# Altium PCB RX.PcbDoc (part 1 of 2) (continued)
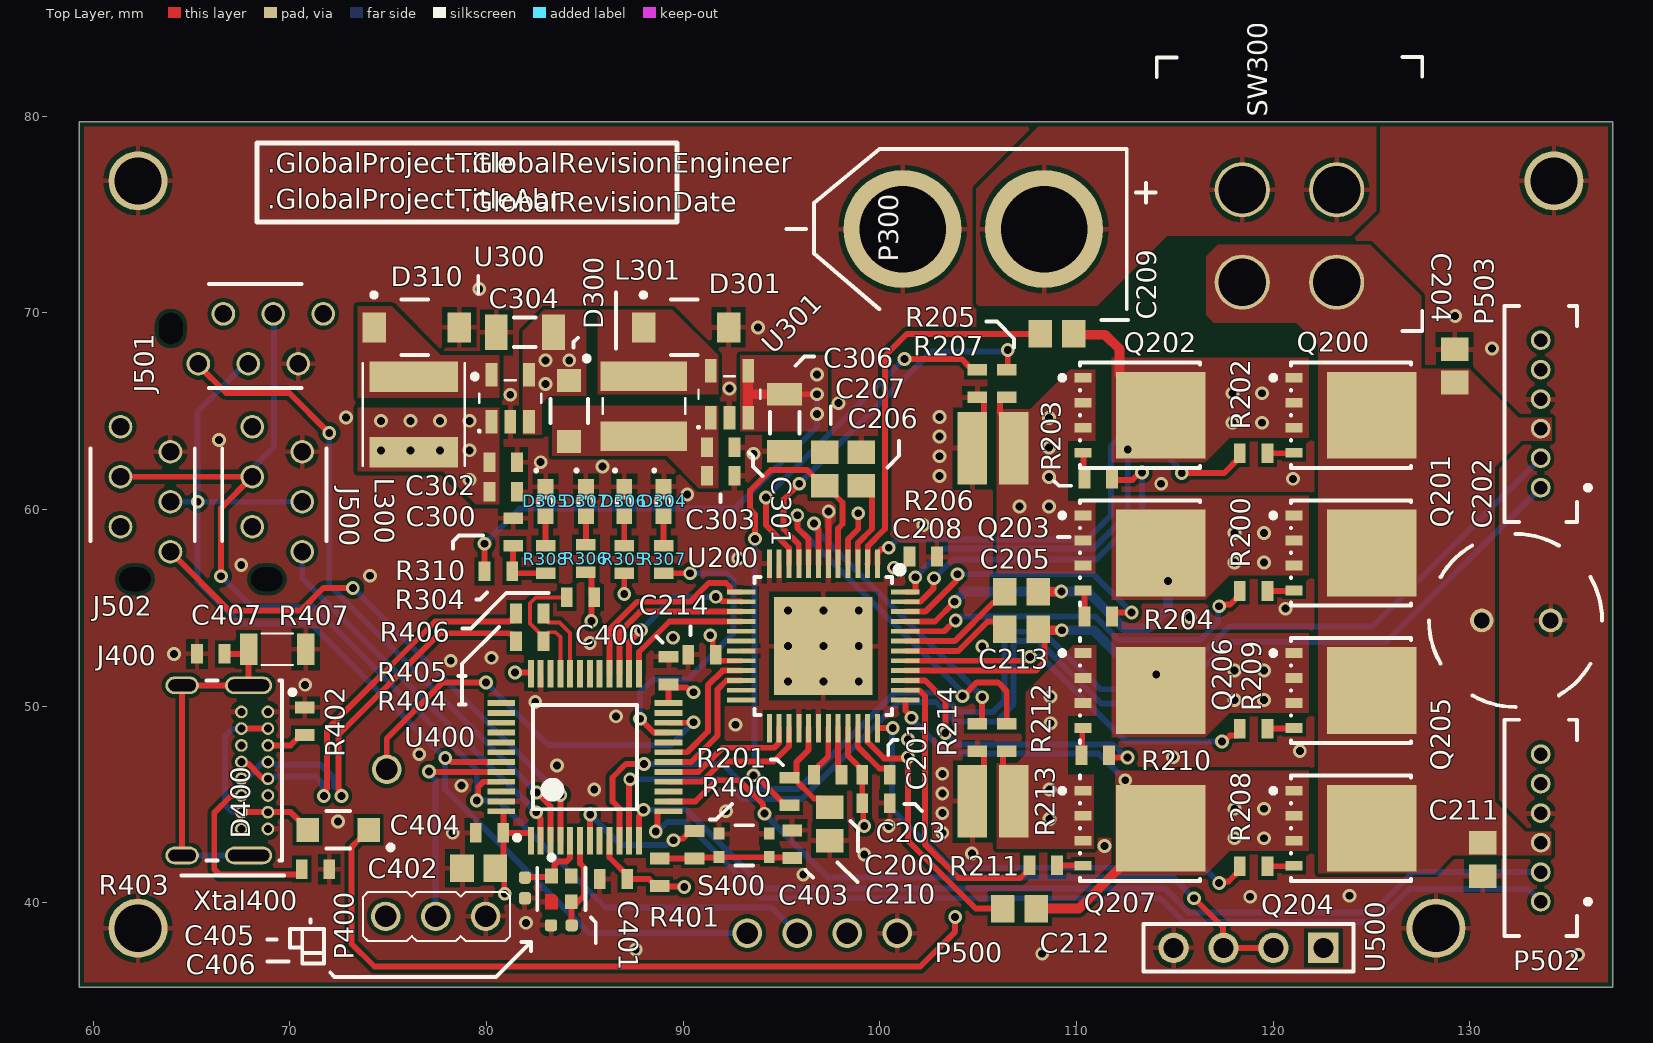
[diagram p0: Top Layer view]
## Footprints (in the part's own frame and the unit in brackets; to place one, negate y for a bottom-side part, rotate by r counter-clockwise, add the part's x,y. Pads: shape width x height; smd on the part's side, far side on the other; paste and mask are expansions set on the pad)
"2.54mm 4 POS XY-MK-5V RF" [mm] "Elevated Socket, 1x5 Pins, Vertical, 2.54mm Pitch, Female"
  rect 1.55x1.55 hole 1.02: 1(0,0)
  round 1.55 hole 1.02: 2(2.54,0) 3(5.08,0) 4(7.62,0)
  silkscreen extent -1.53,-1.2 9.14,1.2, body extent -20.98,2.21 9.02,21.41, height 6.1
"3Pos Pin Header" [mm]
  round 1.5 hole 1.1: 1(-2.56,0) 2(-0.02,0) 3(2.52,0)
  silkscreen extent -3.81,-1.25 3.67,1.25, body extent -3.89,-1.24 3.73,1.25, height 8.57
"4Pos Pin Header Vertical" [mm]
  round 1.5 hole 1.1: 1(-3.81,0) 2(-1.27,0) 3(1.27,0) 4(3.81,0)
  body extent -5.08,-1.27 5.08,1.27, height 8.57
7-215079-6-Footprint-1 [mm]
  round 0 hole 1.2 slot 1.6 at 90 deg unplated: 0(7.75,0.74)
  round 1.2 hole 0.9: 1(0,0) 2(1.27,2.54) 3(2.54,0) 4(3.81,2.54) 5(5.08,0) 6(6.35,2.54)
  silkscreen extent 1.1,-1.53 5.8,3.77, body extent -1.6,-1.38 7.96,3.62, height 4
"8mm Cap" [mm] "EEU-FS1H221L"
  round 1.2 hole 0.8: 1(-1.75,0) 2(1.75,0)
  silkscreen extent -4.37,-4.4 4.43,4.4, body extent -4.21,-4.22 4.28,4.28, height 23
"0603 RED LED" [mm] "Generic 0603 RED LED"
  rect 0.8x0.8 smd: 1(0.75,0) 2(-0.75,0)
  silkscreen extent -0.2,-0.38 1.6,0.5, body extent -0.8,-0.4 0.8,0.4, height 0.4
FP-ABM11-MFG [mm]
  rect 0.75x0.65 smd paste+0 mask+0: 1(-0.65,-0.5) 3(0.65,0.5) 4(-0.65,0.5)
  round 0.025 smd paste+0 mask+0: 2(0.65,-0.525)
  Top Layer region: 0.275,-0.325 0.425,-0.175 1.025,-0.175 1.025,-0.825 0.275,-0.825
  silkscreen extent -1.72,-1.22 1.07,1.22, body extent -1.17,-0.97 1.17,0.97, height 0.25
FP-B6B-ZR-SM4-TF_LF_SN-MFG [mm]
  round 1 hole 0.7 paste-2539.97 mask+0: 1(-3.75,0) 2(-2.25,0) 3(-0.75,0) 4(0.75,0) 5(2.25,0) 6(3.75,0)
  silkscreen extent -5.5,-2.53 5.5,1.85, body extent -5.25,-1.75 5.25,1.75, height 4.5
FP-MBR1020VL_R1_00001-MFG [mm]
  rect 1.15x1.22 smd paste+0 mask+0: 1(-1.55,0) 2(1.55,0)
  silkscreen extent -2.79,-0.95 0.6,1.01, body extent -2.22,-1.05 2.22,1.05, height 0.25
FP-PG-TDSON-8-MFG [mm]
  rect 0.5x0.85 smd paste-1000 mask+0: 1(-1.905,-2.9) 2(-0.635,-2.9) 3(0.635,-2.9) 4(1.905,-2.9)
  rect 4.41x4.55 smd paste-1000 mask-1000: 5-6-7-8(0,1.05)
  silkscreen extent -2.68,-4.07 2.68,3.05, body extent -3,-3.42 3,3.42, height 0.25
FP-USB4085-GF-A-MFG [mm]
  rrect100% 0.9x2.4 hole 2.1 slot 0.6 at 0 deg paste-2539.97 mask+0: 1(-4.325,3.045) 2(4.325,3.045)
  rrect100% 0.9x1.7 hole 1.4 slot 0.6 at 0 deg paste-2539.97 mask+0: 3(-4.325,-0.335) 4(4.325,-0.335)
  round 0.65 hole 0.4 paste-2539.97 mask+0: A1(-2.975,4.025) A4(-2.125,4.025) A5(-1.275,4.025) A6(-0.425,4.025) A7(0.425,4.025) A8(1.275,4.025) A9(2.125,4.025) A12(2.975,4.025) B1(2.975,2.675) B4(2.125,2.675) B5(1.275,2.675) B6(0.425,2.675) B7(-0.425,2.675) B8(-1.275,2.675) B9(-2.125,2.675) B12(-2.975,2.675)
  silkscreen extent -4.57,0.89 4.57,5.4, body extent -4.87,-4.83 4.87,4.83, height 0.25
MLCC_0402_M [mm]
  rrect49% 0.63x0.61 smd: 1(-0.525,0) 2(0.525,0)
  body extent -0.5,-0.25 0.5,0.25, height 0.55
MLCC_0603_M [mm]
  rect 0.6x1 smd: 1(-0.7,0) 2(0.7,0)
  body extent -0.8,-0.4 0.8,0.4, height 0.92
MLCC_0805_M [mm] "Chip Capacitor, 2-Leads, Body 2,00x1,25mm, IPC Medium Density"
  rect 1.2x1.4 smd: 1(-0.85,0) 2(0.85,0)
  body extent -1.05,-0.67 1.05,0.67, height 1.35
MLCC_1206_M [mm]
  rect 1.15x1.8 smd: 1(-1.45,0) 2(1.45,0)
  silkscreen extent -0.55,-0.75 0.55,0.75, body extent -1.7,-0.9 1.7,0.9, height 0.75
P5_064B_MFG [mm] "Recommended Land Pattern"
  rect 1.2x0.6 smd paste+0 mask+0: 1(-1.2,0.95) 2(-1.2,0) 3(-1.2,-0.95) 4(1.2,-0.95) 5(1.2,0.95)
  silkscreen extent -1.74,-1.58 0.92,1.64, body extent -1.4,-1.45 1.4,1.45, height 1.1
PE0612FKM7W0R05L-Footprint-1 [mm]
  rect 1.5x3.68 smd: 1(-1.05,0) 2(1.05,0)
  body extent -0.8,-1.6 0.8,1.6, height 0.75
Resistor_0603_M [mm]
  rect 0.6x1 smd: 1(-0.7,0) 2(0.7,0)
  body extent -0.8,-0.4 0.8,0.4, height 0.45
Resistor_1206_M [mm]
  rect 0.9x1.6 smd: 1(-1.45,0) 2(1.45,0)
  silkscreen extent -0.8,-0.8 0.8,0.8, body extent -1.6,-0.83 1.6,0.83, height 0.56
STM-LQFP48_M [mm] "QFP, 48-Leads, Body 7x7mm, Pitch 0.5mm, IPC Low Density"
  rect 1.4x0.3 smd: 1(-4.25,2.75) 2(-4.25,2.25) 3(-4.25,1.75) 4(-4.25,1.25) 5(-4.25,0.75) 6(-4.25,0.25) 7(-4.25,-0.25) 8(-4.25,-0.75) 9(-4.25,-1.25) 10(-4.25,-1.75) 11(-4.25,-2.25) 12(-4.25,-2.75) 25(4.25,-2.75) 26(4.25,-2.25) 27(4.25,-1.75) 28(4.25,-1.25) 29(4.25,-0.75) 30(4.25,-0.25) 31(4.25,0.25) 32(4.25,0.75) 33(4.25,1.25) 34(4.25,1.75) 35(4.25,2.25) 36(4.25,2.75)
  rect 0.3x1.4 smd: 13(-2.75,-4.25) 14(-2.25,-4.25) 15(-1.75,-4.25) 16(-1.25,-4.25) 17(-0.75,-4.25) 18(-0.25,-4.25) 19(0.25,-4.25) 20(0.75,-4.25) 21(1.25,-4.25) 22(1.75,-4.25) 23(2.25,-4.25) 24(2.75,-4.25) 37(2.75,4.25) 38(2.25,4.25) 39(1.75,4.25) 40(1.25,4.25) 41(0.75,4.25) 42(0.25,4.25) 43(-0.25,4.25) 44(-0.75,4.25) 45(-1.25,4.25) 46(-1.75,4.25) 47(-2.25,4.25) 48(-2.75,4.25)
  silkscreen extent -4.22,-2.65 2.65,3.57, body extent -3.5,-3.5 3.5,3.5, height 1.6
SW-T2-3A-A-A2-M2 [mm]
  round 2.8 hole 2.4: 1(-3.2,2.4) 2(-3.2,-2.4) 3(1.5,2.4) 4(1.5,-2.4)
  silkscreen extent -5.68,-6.75 8.25,6.75, body extent -5.27,-6.35 7.85,6.35, height 29.3
TQFP80P900X900X120-32N [mm] "TQFP, 32-Leads, Body 7,00x7,00mm, Pitch 0,80mm, IPC Medium Density"
  rect 1.45x0.25 smd: 1(-4.175,2.75) 2(-4.175,2.25) 3(-4.175,1.75) 4(-4.175,1.25) 5(-4.175,0.75) 6(-4.175,0.25) 7(-4.175,-0.25) 8(-4.175,-0.75) 9(-4.175,-1.25) 10(-4.175,-1.75) 11(-4.175,-2.25) 12(-4.175,-2.75) 25(4.175,-2.75) 26(4.175,-2.25) 27(4.175,-1.75) 28(4.175,-1.25) 29(4.175,-0.75) 30(4.175,-0.25) 31(4.175,0.25) 32(4.175,0.75) 33(4.175,1.25) 34(4.175,1.75) 35(4.175,2.25) 36(4.175,2.75)
  rect 0.25x1.45 smd: 13(-2.75,-4.175) 14(-2.25,-4.175) 15(-1.75,-4.175) 16(-1.25,-4.175) 17(-0.75,-4.175) 18(-0.25,-4.175) 19(0.25,-4.175) 20(0.75,-4.175) 21(1.25,-4.175) 22(1.75,-4.175) 23(2.25,-4.175) 24(2.75,-4.175) 37(2.75,4.175) 38(2.25,4.175) 39(1.75,4.175) 40(1.25,4.175) 41(0.75,4.175) 42(0.25,4.175) 43(-0.25,4.175) 44(-0.75,4.175) 45(-1.25,4.175) 46(-1.75,4.175) 47(-2.25,4.175) 48(-2.75,4.175)
  rect 5x5 smd: 49(0,0)
  silkscreen extent -3.97,-3.5 3.5,3.98, body extent -4.5,-4.5 4.5,4.5, height 1.2
USLPT2819DT4TR-Footprint-1 [mm]
  rect 0.55x0.6 smd: 1(-1.275,0.6) 2(1.275,0.6) 3(-1.275,-0.59) 4(1.275,-0.59)
  silkscreen extent -0.46,-1.02 0.46,1.03, body extent -1.5,-0.94 1.5,0.96, height 0.43
VSSAF3M10HM3_H-Footprint-1 [mm]
  rect 1.2x1.52 smd: 1(-2.16,0) 2(2.16,0)
  silkscreen extent -2.29,-1.4 0.58,1.76, body extent -2.59,-1.29 2.61,1.31, height 1
WE-LQS_4025 [mm] "SMD Power Inductor, 2-Leads, body 4x4mm"
  rect 1.5x4.4 smd: 1(-1.525,0) 2(1.525,0)
  silkscreen extent -0.4,-2.1 0.4,2.1, body extent -2,-2 2,2, height 2.15
WE-LQS_5040 [mm] "SMD Power Inductor, 2-Leads, body 5x5mm"
  rect 1.55x4.5 smd: 1(1.925,0) 2(-1.925,0)
  silkscreen extent -2.6,-3.22 2.6,2.6, body extent -2.5,-2.5 2.5,2.5, height 4.03
"XT60 male TH" [mm]
  round 6 hole 4.4: +(-3.6,0) -(3.6,0)
  silkscreen extent -7.8,-4.08 9.5,4.08, body extent -7.8,-4.07 8.1,4.08, height 16.3

## Part data
C200: library part CMP-001-0577-1, "MLCC, 0603, 22n, 10%, 6.3V, X7R", Capacitor Type=Ceramic, Case/Package=0603, Dielectric=X7R, Manufacturer=Any, Tolerance=10%, Voltage=6,3V, Mount=SMD, Part number="MLCC, 0603, 22n, 10%, 6.3V, X7R", RoHS=Yes
C201 C203 C208 C214: library part CMP-001-0755-1, "MLCC, 0603, 100n, 10%, 35V, X7R", Capacitor Type=Ceramic, Case/Package=0603, Dielectric=X7R, Manufacturer=Any, Tolerance=10%, Voltage=35V, Mount=SMD, Part number="MLCC, 0603, 100n, 10%, 35V, X7R", RoHS=Yes
C202: library part CMP-002-0010-1, "Panasonic EEUFS1H221L - Aluminum Electrolytic Capacitors (Radial Lead Type)", Capacitance=10uF, Capacitor Type=Ceramic, Case/Package=Radial, Dielectric=X5R, ESR (Equivalent Series Resistance)=33mΩ, Leakage Current=110µA, Manufacturer=Any, Manufacturer Lifecycle Status=ACTIVE, Max Operating Temperature=105°C, Min Operating Temperature=-40°C, Ripple Current=1.43A, Tolerance=20%, Voltage=50V, Construction=Cylindrical, Diameter=8mm, Features="General Purpose", Height=22mm, Height - Seated (Max)=0.315inch, Length=20mm, Life (Hours)=9000hours, Lifecycle Status=Production, Mount=THT, Number of Terminals=2, Packaging=Bulk, Part number=EEU-FS1H221L, Part Series=FS-A, Pins=2, REACH SVHC=Yes, RoHS=Compliant, Schedule B=8532220020, Terminal Pitch=3.5mm, Voltage Rating=50V, Voltage Rating (DC)=50V
C204 C205 C209 C210 C211 C212 C213: library part CMP-001-0836-2, "MLCC, 0805, 470n, 10%, 6.3V, X7R", Capacitor Type=Ceramic, Case/Package=0805, Dielectric=X7R, Manufacturer=Any, Tolerance=10%, Voltage=6,3V, Mount=SMD, Part number="MLCC, 0805, 470n, 10%, 6.3V, X7R", RoHS=Yes
C206 C207: library part CMP-001-0842-2, "MLCC, 0805, 2.2u, 10%, 6.3V, X7R", Capacitor Type=Ceramic, Case/Package=0805, Dielectric=X7R, Manufacturer=Any, Tolerance=10%, Voltage=6,3V, Mount=SMD, Part number="MLCC, 0805, 2.2u, 10%, 6.3V, X7R", RoHS=Yes
C300 C301 C302 C303: library part CMP-001-1264-1, "MLCC, 0603, 22u, 10%, 16V, X5R", Capacitor Type=Ceramic, Case/Package=0603, Dielectric=X5R, Manufacturer=Any, Tolerance=10%, Voltage=16V, Mount=SMD, Part number="MLCC, 0603, 22u, 10%, 16V, X5R", RoHS=Yes
C304 C306: library part CMP-001-1124-2, "MLCC, 1206, 4.7u, 10%, 35V, X5R", Capacitor Type=Ceramic, Case/Package=1206, Dielectric=X5R, Manufacturer=Any, Tolerance=10%, Voltage=35V, Mount=SMD, Part number="MLCC, 1206, 4.7u, 10%, 35V, X5R", RoHS=Yes
C400 C401 C403 C404: library part CMP-001-0815-1, "MLCC, 0603, 100n, 10%, 50V, X7R", Capacitor Type=Ceramic, Case/Package=0603, Dielectric=X7R, Manufacturer=Any, Tolerance=10%, Voltage=50V, Mount=SMD, Part number="MLCC, 0603, 100n, 10%, 50V, X7R", RoHS=Yes
C402: library part CMP-001-1830-1, "MLCC, 0805, 4.7u, 20%, 50V, X5R", Capacitor Type=Ceramic, Case/Package=0805, Dielectric=X5R, Manufacturer=Any, Tolerance=20%, Voltage=50V, Mount=SMD, Part number="MLCC, 0805, 4.7u, 20%, 50V, X5R", RoHS=Yes
C405 C406: library part CMP-001-1853-1, "MLCC, 0402, 15p, 10%, 25V, C0G/NP0", Capacitance=15pF, Capacitor Type=Ceramic, Case Code (Imperial)=0402, Case Code (Metric)=1005, Dielectric=C0G, Manufacturer=Any, Max Operating Temperature=125°C, Min Operating Temperature=-55°C, Package Quantity=1, Temperature Coefficient=300ppm/°C, Tolerance=10%, Voltage=25V, Voltage Rating=25, Case/Package=0402, Contact Plating=Tin, Depth=0.5mm, Height=0.5mm, Length=1mm, Material=Ceramic, Mount="Surface Mount", Packaging="Tape and Reel", Part number="MLCC, 0402, 15p, 10%, 25V, C0G/NP0", Radiation Hardening=No, RoHS=Yes, Thickness=0.022inch, Width=0.02inch
C407: library part CMP-001-0547-1, "MLCC, 0603, 1n, 10%, 50V, X5R", Capacitor Type=Ceramic, Case/Package=0603, Dielectric=X5R, Manufacturer=Any, Tolerance=10%, Voltage=50V, Mount=SMD, Part number="MLCC, 0603, 1n, 10%, 50V, X5R", RoHS=Yes
D300 D400: library part CMP-ROOT-01310-1, "Rectifier Diode, Schottky, 1 Phase, 1 Element, 1A, 20V V(RRM), Silicon", Case/Package=SOD-123FL, Forward Current=1A, Manufacturer=Panjit, Max Forward Surge Current (Ifsm)=45A, Max Junction Temperature (Tj)=125°C, Max Repetitive Reverse Voltage (Vrrm)=20V, Min Operating Temperature=-55°C, Peak Reverse Current=600µA, Height=1.1mm, Lifecycle Status=Production, Max Operating Temperature=125°C, Max Output Current=1A, Mount=SMD, Number of Elements=1, Number of Terminals=2, Part number=MBR1020VL_R1_00001, Pins=2, REACH SVHC=No, Reverse Standoff Voltage=20V, RoHS=Compliant
D301 D310: library part CMP-ROOT-01308-1, "Rectifier Diode, Schottky, 1 Phase, 1 Element, 2.3A, 100V V(RRM), Silicon, DO-221AC", Case/Package=DO-221AC-2, Forward Voltage=720mV, Max Forward Surge Current (Ifsm)=80A, Max Operating Temperature=175°C, Max Output Current=2.3A, Min Operating Temperature=-40°C, Peak Reverse Current=200µA, Reverse Standoff Voltage=100V, Lifecycle Status=Production, Manufacturer=VSSAF3M10HM3/H, Mount=SMD, Number of Elements=1, Number of Terminals=2, Part number=VSSAF3M10HM3/H, Pins=2, REACH SVHC=No, RoHS=Compliant
D304 D305 D306 D307: library part CMP-ROOT-00025-2, "Generic red 0603 LED", Case/Package=0603, Manufacturer=Any, Part number="Any Red 0603 LED", Color=Red, Mount=SMD, RoHS=Yes
J400: library part CMP-001-1800-1, "USB Connector, 16 Contact(s), Female, Right Angle, Solder Terminal, Locking, Receptacle", Current Rating=4.25A, Flammability Rating="UL94 V-0", Insulation Color=Black, Manufacturer=GCT, Max Operating Temperature=85°C, Min Operating Temperature=-40°C, Part number=USB4800-03-A, Voltage Rating=20V, Connector Type=USB, Contact Material="Copper Alloy", Contact Plating=Gold, Gender=Receptacle, Height=3.66mm, Mating Cycles=10000, Mount=TH, Mounting Technology="Through Hole,Horizontal", Number of Contacts=16, Number of Ports=1, Number of Positions=16, Orientation="Right Angle", Packaging="Tape and Reel", Pins=16, RoHS=Yes, Series=USB4085, Shielding=Shielded, Standoff Height=3.5mm, Termination=Solder, USB PD=3.2, USB Standard="USB 2.0"
J500 J501 J502: library part CMP-ROOT-01311-2, "Conn FFC Connector F 6 POS 1.27mm Solder ST Thru-Hole Automotive Box/Carton", Color=Red, Contact Current Rating=1A, Contact Resistance=10mΩ, Insulation Resistance=1GΩ, Manufacturer="TE Connectivity", Manufacturer Lifecycle Status=ACTIVE, Max Operating Temperature=105°C, Min Operating Temperature=-40°C, Operating Force=4.8928N, Operating Supply Voltage=100V, China RoHS=Compliant, Contact Gender=Female, Contact Material="Nickel, Tin", Contact Plating=Tin, Current Rating=1A, Height=4.2mm, Housing Color=Red, Insulation Material=Thermoplastic, Lead Free="Lead Free", Lead Pitch=1.27mm, Length=9.7mm, Lifecycle Status=Production, Mating Connector Lock=Without, Mount=TH, Mounting Technology="Through Hole", Number of Contacts=6, Number of Ports=1, Number of Positions=6, Number of Rows=2, Orientation=Vertical, Packaging=Box, Part number=7-215079-6, PCB Mount Retention=With, Pins=6, Plating Thickness=4.99999µm, REACH SVHC=Yes, RoHS=Compliant, Row Spacing=2.54mm, Shielding=No, Terminal Pitch=1.27mm, Voltage Rating=100V, Voltage Rating (DC)=100V
L300: library part CMP-007-0001-1, "Inductor Power Semi-Shielded Wirewound 33uH 20% 100KHz 1.2A 0.188Ohm DCR 2020 Automotive T/R", Ambient Temperature Range High=85°C, Ambient Temperature Range Low=-40°C, Case/Package=Nonstandard, Current Rating=1.2A, DC Resistance (DCR)=188mΩ, Inductance Tolerance=20%, Manufacturer="Wurth Elektronik", Max Operating Temperature=125°C, Part number=74404043220A, Saturation Current=1.4A, Self Resonant Frequency=13MHz, Test Frequency=100kHz, Composition=Wirewound, Core Material=Ferrite, Height=4mm, Height - Seated (Max)=3.9878mm, Length=5mm, Max DC Current=1.2A, Min Operating Temperature=-40°C, Mount=SMD, Mounting Technology="Surface Mount", Pins=2, REACH SVHC=Unknown, RMS Current (Irms)=1.2A, RoHS=Compliant, Shielding=Shielded, Termination=SMD/SMT, Tolerance=20%, Width=5mm
L301: library part CMP-ROOT-01309-1, "General Purpose Inductor, 22uH, 20%, 1 Element, Nickel-zinc Ferrite-Core, SMD, 1616", Ambient Temperature Range High=85°C, Ambient Temperature Range Low=-40°C, Case/Package="4mm x 4mm", Current Rating=1.11A, DC Resistance (DCR)=200mΩ, Inductance Tolerance=20%, Manufacturer="Wurth Elektronik", Max Operating Temperature=125°C, Height=2.5mm, Length=4mm, Min Operating Temperature=-40°C, Mount=SMD, Part number=74404043220A, Pins=2, RoHS=Compliant, Width=4mm
P300: library part CMP-ROOT-00493-2, Manufacturer=DFRobot, Part number=1738-1437-ND, Mount=TH, RoHS=Yes
P400: library part CMP-ROOT-00217-1, "Connector Header Through Hole 3 position 0.100\" (2.54mm)", Case/Package=SIL, Color=Black, Contact Resistance=25mR, Current Rating=3A, Insulation Resistance=10GR, Manufacturer="Harwin Inc.", Max Operating Temperature=105°C, Min Operating Temperature=-40°C, Package Quantity=1000, Voltage Rating (AC)=750V, Connector Type="Male Pin", Contact Material=Brass,Bronze, Contact Mating Length=0.24inch, Contact Plating=Gold, Depth=2.54mm, Height=0.125inch, Housing Color=Black, Housing Material=Nylon, Length=7.62mm, Max Current Rating=3A, Mount="Through Hole", Number of Contacts=3, Number of Positions=3, Number of Rows=1, Orientation=Straight, Packaging=Bulk, Part number=M20-9990345, Pins=3, Pitch=2.54mm, Radiation Hardening=No, REACH SVHC="No SVHC", RoHS=Yes, Termination=Solder, Weight=0.006138oz, Width=0.25inch
P500: library part CMP-002-000004-1, "4 POS 2.54mm Vertical THT Header", Manufacturer="Adam Tech", Lead Free="Lead Free", Mount=TH, Number of Positions=4, Part number=PH1-04-UA, Pins=4, Pitch=2.54mm, RoHS=Yes, Termination="Through Hole"
P502 P503: library part CMP-ROOT-01270-2, "Header for PCB; pitch 1.50mm; 6-contacts; THT; male; top entry; 50V/1A", Color="Natural, White", Contact Resistance=30mΩ, Current Rating=1A, Flammability Rating="UL94 V-0", Insulation Resistance=500MΩ, Manufacturer="JST Sales America Inc.", Max Operating Temperature=85°C, Max Voltage Rating (AC)=50V, Min Operating Temperature=-25°C, Part number=B6B-ZR, Body Plating=Tin, China RoHS=Compliant, Connector Type="Male Pin", Contact Gender=Male, Contact Material="Copper, Tin", Contact Mating Length=2.3876mm, Contact Plating=Tin, Depth=3.5mm, Fastening Type=Detent, Gender=Male, Height=4.5mm, Housing Material=Polyamide, Lead Free="Lead Free", Lead Pitch=1.5mm, Length=3.048mm, Lifecycle Status=Production, Material=Nylon, Max Current Rating=1A, Mount=TH, Mounting Technology="Through Hole", Number of Contacts=6, Number of Positions=6, Number of Rows=1, Orientation=Straight, Packaging=Bulk, Panel Thickness=3.5mm, Pins=6, Pitch=1.5mm, REACH SVHC=Yes, RoHS=Compliant, Terminal Pitch=1.5mm, Termination=Solder, Voltage Rating=50V, Voltage Rating (AC)=50V, Voltage Rating (DC)=50V, Weight=28.349523g, Width=5.08mm
Q200 Q201 Q202 Q203 Q204 Q205 Q206 Q207: library part CMP-ROOT-01287-1, "Power MOSFET, N Channel, 60 V, 100 A, 0.0027 ohm, TDSON, Surface Mount", Case/Package=PG-TDSON-8-7, Continuous Drain Current (ID)=23A, Drain to Source Breakdown Voltage=60V, Drain to Source Resistance=2.7mΩ, Gate to Source Voltage (Vgs)=20V, Manufacturer="Infineon Technologies", Max Junction Temperature (Tj)=150°C, Max Power Dissipation=83W, Min Operating Temperature=-55°C, Package Quantity=5000, Power Dissipation=2.5W, China RoHS=Non-Compliant, Drain to Source Voltage (Vdss)=60V, Height=1mm, Lifecycle Status=Production, Max Operating Temperature=150°C, Min Breakdown Voltage=60V, Mount=SMD, Number of Channels=1, Number of Elements=1, Number of Terminals=8, On-State Resistance=2.7mΩ, Packaging="Tape & Reel", Part number=BSC027N06LS5ATMA1, REACH SVHC=No, RoHS=Compliant, Schedule B="8541290080, 8541290080", Turn-Off Delay Time=25ns, Turn-On Delay Time=7.7ns
R200 R202 R203 R204 R208 R209 R210 R211: library part CMP-001-0026-2, "Resistor, 0603, 7.5R, 1%, 1/10W", Case/Package=0603, Manufacturer=Any, Power=100mW, Tolerance=1%, Mount=SMD, Part number="Resistor, 0603, 7.5R, 1%, 1/10W", RoHS=Yes
R201: library part CMP-001-0012-2, "Resistor, 0603, 2.2R, 1%, 1/10W", Case/Package=0603, Manufacturer=Any, Power=100mW, Tolerance=1%, Mount=SMD, Part number="Resistor, 0603, 2.2R, 1%, 1/10W", RoHS=Yes
R205 R207 R212 R214: library part CMP-001-0046-3, "Resistor, 0603, 47R, 1%, 1/10W", Case/Package=0603, Manufacturer=Any, Power=100mW, Tolerance=1%, Mount=SMD, Part number="Resistor, 0603, 47R, 1%, 1/10W", RoHS=Yes
R206 R213: library part CMP-001-1896-1, "Current Sensor-Low TCR Chip Resistor Wide Terminal Metal Alloy 0612 50mOhm 1% Emboss T/R", Case/Package=0612, Manufacturer=Any, Power=2W, Temperature Coefficient=75ppm/°C, Tolerance=1%, Lifecycle Status=Production, Mount=SMD, Number of Terminals=2, Part number=PE0612FKM7W0R05L, Pins=2, REACH SVHC=Yes, RoHS=Compliant
R304: library part CMP-001-0088-2, "Resistor, 0603, 3k, 1%, 1/10W", Case/Package=0603, Manufacturer=Any, Power=100mW, Tolerance=1%, Mount=SMD, Part number="Resistor, 0603, 3k, 1%, 1/10W", RoHS=Yes
R305 R306 R307 R308: library part CMP-001-0060-2, "Resistor, 0603, 200R, 1%, 1/10W", Case/Package=0603, Manufacturer=Any, Power=100mW, Tolerance=1%, Mount=SMD, Part number="Resistor, 0603, 200R, 1%, 1/10W", RoHS=Yes
R310: library part CMP-0001-00237-1, "Resistor, 0603, 1k, 0.1%, 1/16W", Case/Package=0603, Manufacturer=Any, Mount=SMD, Part number=Any, RoHS=Yes
R400: library part CMP-001-0054-5, "Resistor, 0603, 100R, 1%, 1/10W", Case/Package=0603, Manufacturer=Any, Power=100mW, Tolerance=1%, Mount=SMD, Part number="Resistor, 0603, 100R, 1%, 1/10W", RoHS=Yes
R401: library part CMP-001-0101-2, "Resistor, 0603, 10k, 1%, 1/10W", Case/Package=0603, Manufacturer=Any, Power=100mW, Tolerance=1%, Mount=SMD, Part number="Resistor, 0603, 10k, 1%, 1/10W", RoHS=Yes
R402 R403: library part CMP-001-0094-2, "Resistor, 0603, 5.1k, 1%, 1/10W", Case/Package=0603, Manufacturer=Any, Power=100mW, Tolerance=1%, Mount=SMD, Part number="Resistor, 0603, 5.1k, 1%, 1/10W", RoHS=Yes
R404 R405: library part CMP-001-0038-3, "Resistor, 0603, 22R, 1%, 1/10W", Case/Package=0603, Manufacturer=Any, Power=100mW, Tolerance=1%, Mount=SMD, Part number="Resistor, 0603, 22R, 1%, 1/10W", RoHS=Yes
R406: library part CMP-001-0081-2, "Resistor, 0603, 1.5k, 1%, 1/10W", Case/Package=0603, Manufacturer=Any, Power=100mW, Tolerance=1%, Mount=SMD, Part number="Resistor, 0603, 1.5k, 1%, 1/10W", RoHS=Yes
R407: library part CMP-0001-00051-1, "Resistor, 1206, 1M, 1%, 1/4W", Case/Package=1206, Manufacturer=Any, Mount=SMD, Part number=Any, RoHS=Yes
S400: library part CMP-ROOT-01290-1, "Keypad Switch, SPST, 0.05A, 1.96N, Solder Terminal, Panel Mount", Case/Package=Non-standard, Color=Black, Contact Current Rating=50mA, Manufacturer="TE Connectivity ALCOSWITCH Switches", Max Operating Temperature=85°C, Min Operating Temperature=-40°C, Operating Force=1.96N, China RoHS=Compliant, Contact Material="Stainless Steel", Contact Plating=Silver, Housing Material=Polyethylene, Lifecycle Status=Production, Max Current Rating=50mA, Mount=SMD, Packaging="Tape & Reel", Part number=USLPT2819DT4TR, REACH SVHC=Yes, RoHS=Compliant, Throw Configuration=SPST
SW300: library part CMP-ROOT-01312-1, "Toggle Switch, Miniature, Solder, DPST, On-off", Case/Package=Non-standard, Manufacturer="Adam Tech", Lifecycle Status=Production, Mount=SMD, Part number=SW-T2-3A-A-A2-M2, Pins=4, REACH SVHC=Yes, RoHS=Compliant
U200: library part CMP-ROOT-00744-3, "IC Mtr Drvr Bipolar 8-60V 48TQFP", Case/Package="48-TQFP Exposed Pad", Manufacturer="Trinamic Motion Control GmbH", Max Operating Temperature=125°C, Min Operating Temperature=-40°C, Output Current=20A, Interface=SPI, Logic Function="AND GATE", Mount="Surface Mount", Packaging="Tape and Reel", Part number=TMC5160A-TA-T, RoHS=Yes
U300: library part CMP-ROOT-0017-1, "Switching Regulator, Current-mode, 0.3A, 170kHz Switching Freq-Max, PDSO5", Case/Package=TSOT, Manufacturer="Renesas / Intersil", Manufacturer Lifecycle Status=ACTIVE, Max Junction Temperature (Tj)=125°C, Max Output Current=300mA, Max Output Voltage=5.15V, Max Supply Voltage=80V, Max Switching Frequency=170kHz, Min Input Voltage=7V, Min Operating Temperature=-40°C, Min Output Voltage=3.18V, Nominal Output Voltage=3.3V, Nominal Supply Voltage=18V, Export Control Classification Number (ECCN) Code=EAR99, Harmonized Tariff Schedule (HTS) Code=8540000000, Height=850µm, Height - Seated (Max)=1.1mm, Length=2.9mm, Lifecycle Status=Production, Max Operating Temperature=125°C, Mount=SMD, Mounting Technology="Surface Mount", MSL=3, Number of Circuits=1, Number of Terminals=5, Part Family=RAA211803, Part number=RAA2118034GP3#JA0, Pins=5, Pitch=1mm, REACH SVHC=Yes, RoHS=Compliant, Terminal Pitch=950µm, Topology=Buck, Width=1.6mm
U301: library part CMP-00019-3, "Switching Regulator, Current-mode, 0.3A, 230kHz Switching Freq-Max, PDSO5", Case/Package=TSOT, Manufacturer="Renesas / Intersil", Manufacturer Lifecycle Status=ACTIVE, Max Junction Temperature (Tj)=125°C, Max Output Current=300mA, Max Output Voltage=5.15V, Max Supply Voltage=80V, Max Switching Frequency=230kHz, Min Input Voltage=7V, Min Operating Temperature=-40°C, Min Output Voltage=3.18V, Nominal Output Voltage=5V, Nominal Supply Voltage=18V, Package Quantity=3000, Export Control Classification Number (ECCN) Code=EAR99, Harmonized Tariff Schedule (HTS) Code=8540000000, Height=850µm, Height - Seated (Max)=1.1mm, Length=2.9mm, Lifecycle Status=Production, Max Operating Temperature=125°C, Mount=SMD, Mounting Technology="Surface Mount", MSL=3, Number of Circuits=1, Number of Terminals=5, Part Family=RAA211805, Part number=RAA2118054GP3#JA0, Pins=5, Pitch=1mm, REACH SVHC=Yes, RoHS=Compliant, Terminal Pitch=950µm, Topology=Buck, Width=1.6mm
U400: library part CMP-00012-2, "MCU 32-bit STM32F1 ARM Cortex M3 RISC 64KB Flash 2.5V/3.3V 48-Pin LQFP Tray", Case/Package=LQFP, Clock Frequency=16MHz, Frequency=72MHz, Manufacturer=STMicroelectronics, Manufacturer Package Identifier=ai14911d, Max Operating Temperature=85°C, Max Power Dissipation=363mW, Max Supply Current=50mA, Max Supply Voltage=3.6V, Min Operating Temperature=-40°C, Min Supply Voltage=2V, Nominal Supply Current=1.7µA, Operating Supply Voltage=3.3V, ADC Channels (Resolution)="10-Ch 12-Bit", Address Bus Width=32b, China RoHS=Compliant, Core Architecture=ARM, Data Bus Width=32b, Density=512kb, EEPROM Memory Size=0B, Flash Memory Size=64kB, Height=1.45mm, Height - Seated (Max)=1.6mm, Interface="CAN, USB", Lead Free="Lead Free", Length=7mm, Lifecycle Status=Production, Memory Format=FLASH, Memory Size=64kB, Mount=SMD, Mounting Technology="Surface Mount", Number of A/D Converters=2, Number of ADC Channels=10, Number of Bits=32, Number of Channels=10, Number of I2C Channels=2, Number of I/Os=37, Number of Interrupts=16, Number of Programmable I/O=48, Number of PWM Channels=1, Number of SPI Channels=2, Number of Terminals=48, Number of Timers/Counters=4, Number of USART Channels=3, Oscillator Type=Internal, Part number=STM32F103C8T6, Peripherals=POR, Pins=48, Radiation Hardening=No, RAM Size=20kB, REACH SVHC=Yes, RoHS=Compliant, Schedule B=8542310000, Terminal Pitch=500µm, Termination=SMD/SMT, Watchdog Timer=Yes, Width=7mm
U500: library part CMP-00015-1, "433MHz reciever module, 5V tolerant", Case/Package="2.54mm 4 POS", Manufacturer=Unknown, Mount=THT, Part number="XY-MK-5V RF", RoHS=Yes
Xtal400: library part CMP-ROOT-01254-3, "Crystal 16MHz ±10ppm (Tol) ±15ppm (Stability) 12pF FUND 150Ohm 4-Pin Ultra Mini-CSMD T/R", Case/Package="4-SMD, No Lead", ESR (Equivalent Series Resistance)=150Ω, Frequency=16MHz, Frequency Stability=15ppm, Frequency Tolerance=0.001%, Load Capacitance=12pF, Manufacturer="Abracon LLC", Max Operating Temperature=85°C, Min Operating Temperature=-30°C, China RoHS=Compliant, ESR=150Ω, Height=590µm, Length=2mm, Lifecycle Status=Production, Mount=SMD, Mounting Technology="Surface Mount", REACH SVHC=Yes, RoHS=Compliant, Schedule B=8541600080, Tolerance=0.001%, Width=1.6mm

## Free pads (board coordinates)
  round 3 hole 2.4: 0(62.275,38.7) 0(62.275,76.7) 0(128.275,38.7) 0(134.275,76.7)
  round 1.5 hole 1.1: 0(74.925,46.775)

## Via types
v1: diameter 0.7, hole 0.4, Top Layer to Bottom Layer, 183 vias

## Nets (pads, with @x,y where several pads share a name; then routed paths per layer and width w, separated by ;. In a path a pad name is that pad's centre, name@x,y a point inside that pad or via, vN(x,y) a via of type N, cw(c..) or ccw(c..) an arc to the next point about the centre after c; other vN are vias at no path point)
+3V3: C300.2 C302.2 C400.1 C401.1 C402.2 C404.1 J500.1 J501.1 J502.1 L300.2 P400.3 P500.2 R306.1 R401.2 R406.2 U300.1 U400.1 U400.9 U400.24 U400.36 U400.48 | length 17.9
  Top Layer w0.3: U400.48@80.75,44.65 80.85,44.65 C404.1@80.85,43.55 ; v1(80.925,40.45) 80.9,40.475 80.9,41.3 C402.2@80.45,41.75 80.85,42.15 C404.1@80.85,43.55 ; v1(81.45,51.7) 82.25,51.7 U400.36@82.25,51.65 ; U400.1@82.25,43.15 82.25,43.55 C404.1@80.85,43.55 ; R306.1@85.05,56.8 85.175,56.8 85.325,56.65 85.325,55.675 85.5,55.5 85.325,55.325 v1(85.325,54.325) ; U400.9@86.25,43.15 86.25,42.3 87.15,41.4 C401.1@87.15,41.2 88.25,41.2 88.6,40.85 R401.2@88.8,40.85 88.825,40.825 90.025,40.825 v1(90.05,40.8) ; U400.24@89.25,50.15 C400.1@89.25,51.1 89.4,50.95 90.167,50.95 90.417,50.7 v1(90.525,50.7)
  other v1: 79.125,61.5 74.625,63 76.125,63 77.625,63 79.125,63 74.625,64.5 76.125,64.5 77.625,64.5 79.125,64.5
+5V: C214.2 C304.2 D300.1 D400.1 R305.1 U200.20 U300.3 U300.4 U500.1 | length 100.9
  Top Layer w0.3: D400.1@74,43.7 74,43.665 73.575,43.24 73.54,43.24 73.125,42.825 73.125,37.925 74.3,36.75 102.05,36.75 103.825,38.525 v1(103.825,39.275) ; v1(87,55.7) R305.1@87,56.75 ; v1(91.375,53.6) 91.375,53.492 91.5,53.367 91.5,52.75 C214.2@91.65,52.6 91.65,52.45 91.8,52.3 U200.20@92.95,52.3
  Bottom Inner Layer w0.3: v1(103.825,39.275) v1@103.85,39.3
  Bottom Inner Layer w0.5: v1(83,66.375) 87,62.375 v1(87,55.7) 89.275,55.7 v1(91.375,53.6) 96.65,48.325 96.65,43.15 98.425,41.375 101.725,41.375 v1(103.825,39.275) ; v1@103.85,39.3 120.95,39.3 U500.1@122.55,37.7
  other v1: 83,67.575 84.2,67.575
+12V: C201.1 C202.2 C203.2 C204.2 C208.2 C211.1 C306.2 P502.3 P503.3 Q200.5-6-7-8 Q201.5-6-7-8 Q204.5-6-7-8 Q205.5-6-7-8 R304.2 SW300.1 SW300.2 U200.4 U200.33 U301.3 U301.4 | length 37.6
  Top Layer w0.3: R304.2@79.9,56.85 v1(79.9,58.25) ; C306.2@95.15,65.85 v1(96.8,65.85) ; U200.33@98.375,48.875 98.375,47.475 98.95,46.9 98.95,46.65 C201.1@99.1,46.5 C203.2@99.1,45.05 99.15,45 99.15,43.95 v1(99.2,43.9) ; U200.4@98.375,57.225 98.375,58.475 98.9,59 v1(98.9,59.8) ; v1(100.715,57.036) 100.788,57.108 101.208,57.108 101.5,57.4 C208.2@101.5,57.6
  Top Layer w0.5: U301.3@93.3,64.65 93.3,65.85 ; U301.4@93.3,67.05 93.3,65.85 ; C306.2@95.15,65.85 93.3,65.85
  Bottom Layer w0.3: v1(79.9,58.25) 81.7,60.05 92.65,60.05 96.8,64.2 v1(96.8,64.85) v1(96.8,65.85)
  other v1: 96.8,66.85
BAT_+: P300.+ SW300.3 SW300.4
BOOT0: P400.2 U400.44 | length 11.2
  Top Layer w0.3: v1(77.075,46.675) 77.1,46.65 U400.44@80.75,46.65
  Bottom Layer w0.3: v1(77.075,46.675) 77.075,46.567 77.41,46.232 P400.2@77.41,39.3